# KiCad board 4servoboard-4x4.kicad_pcb (continued)
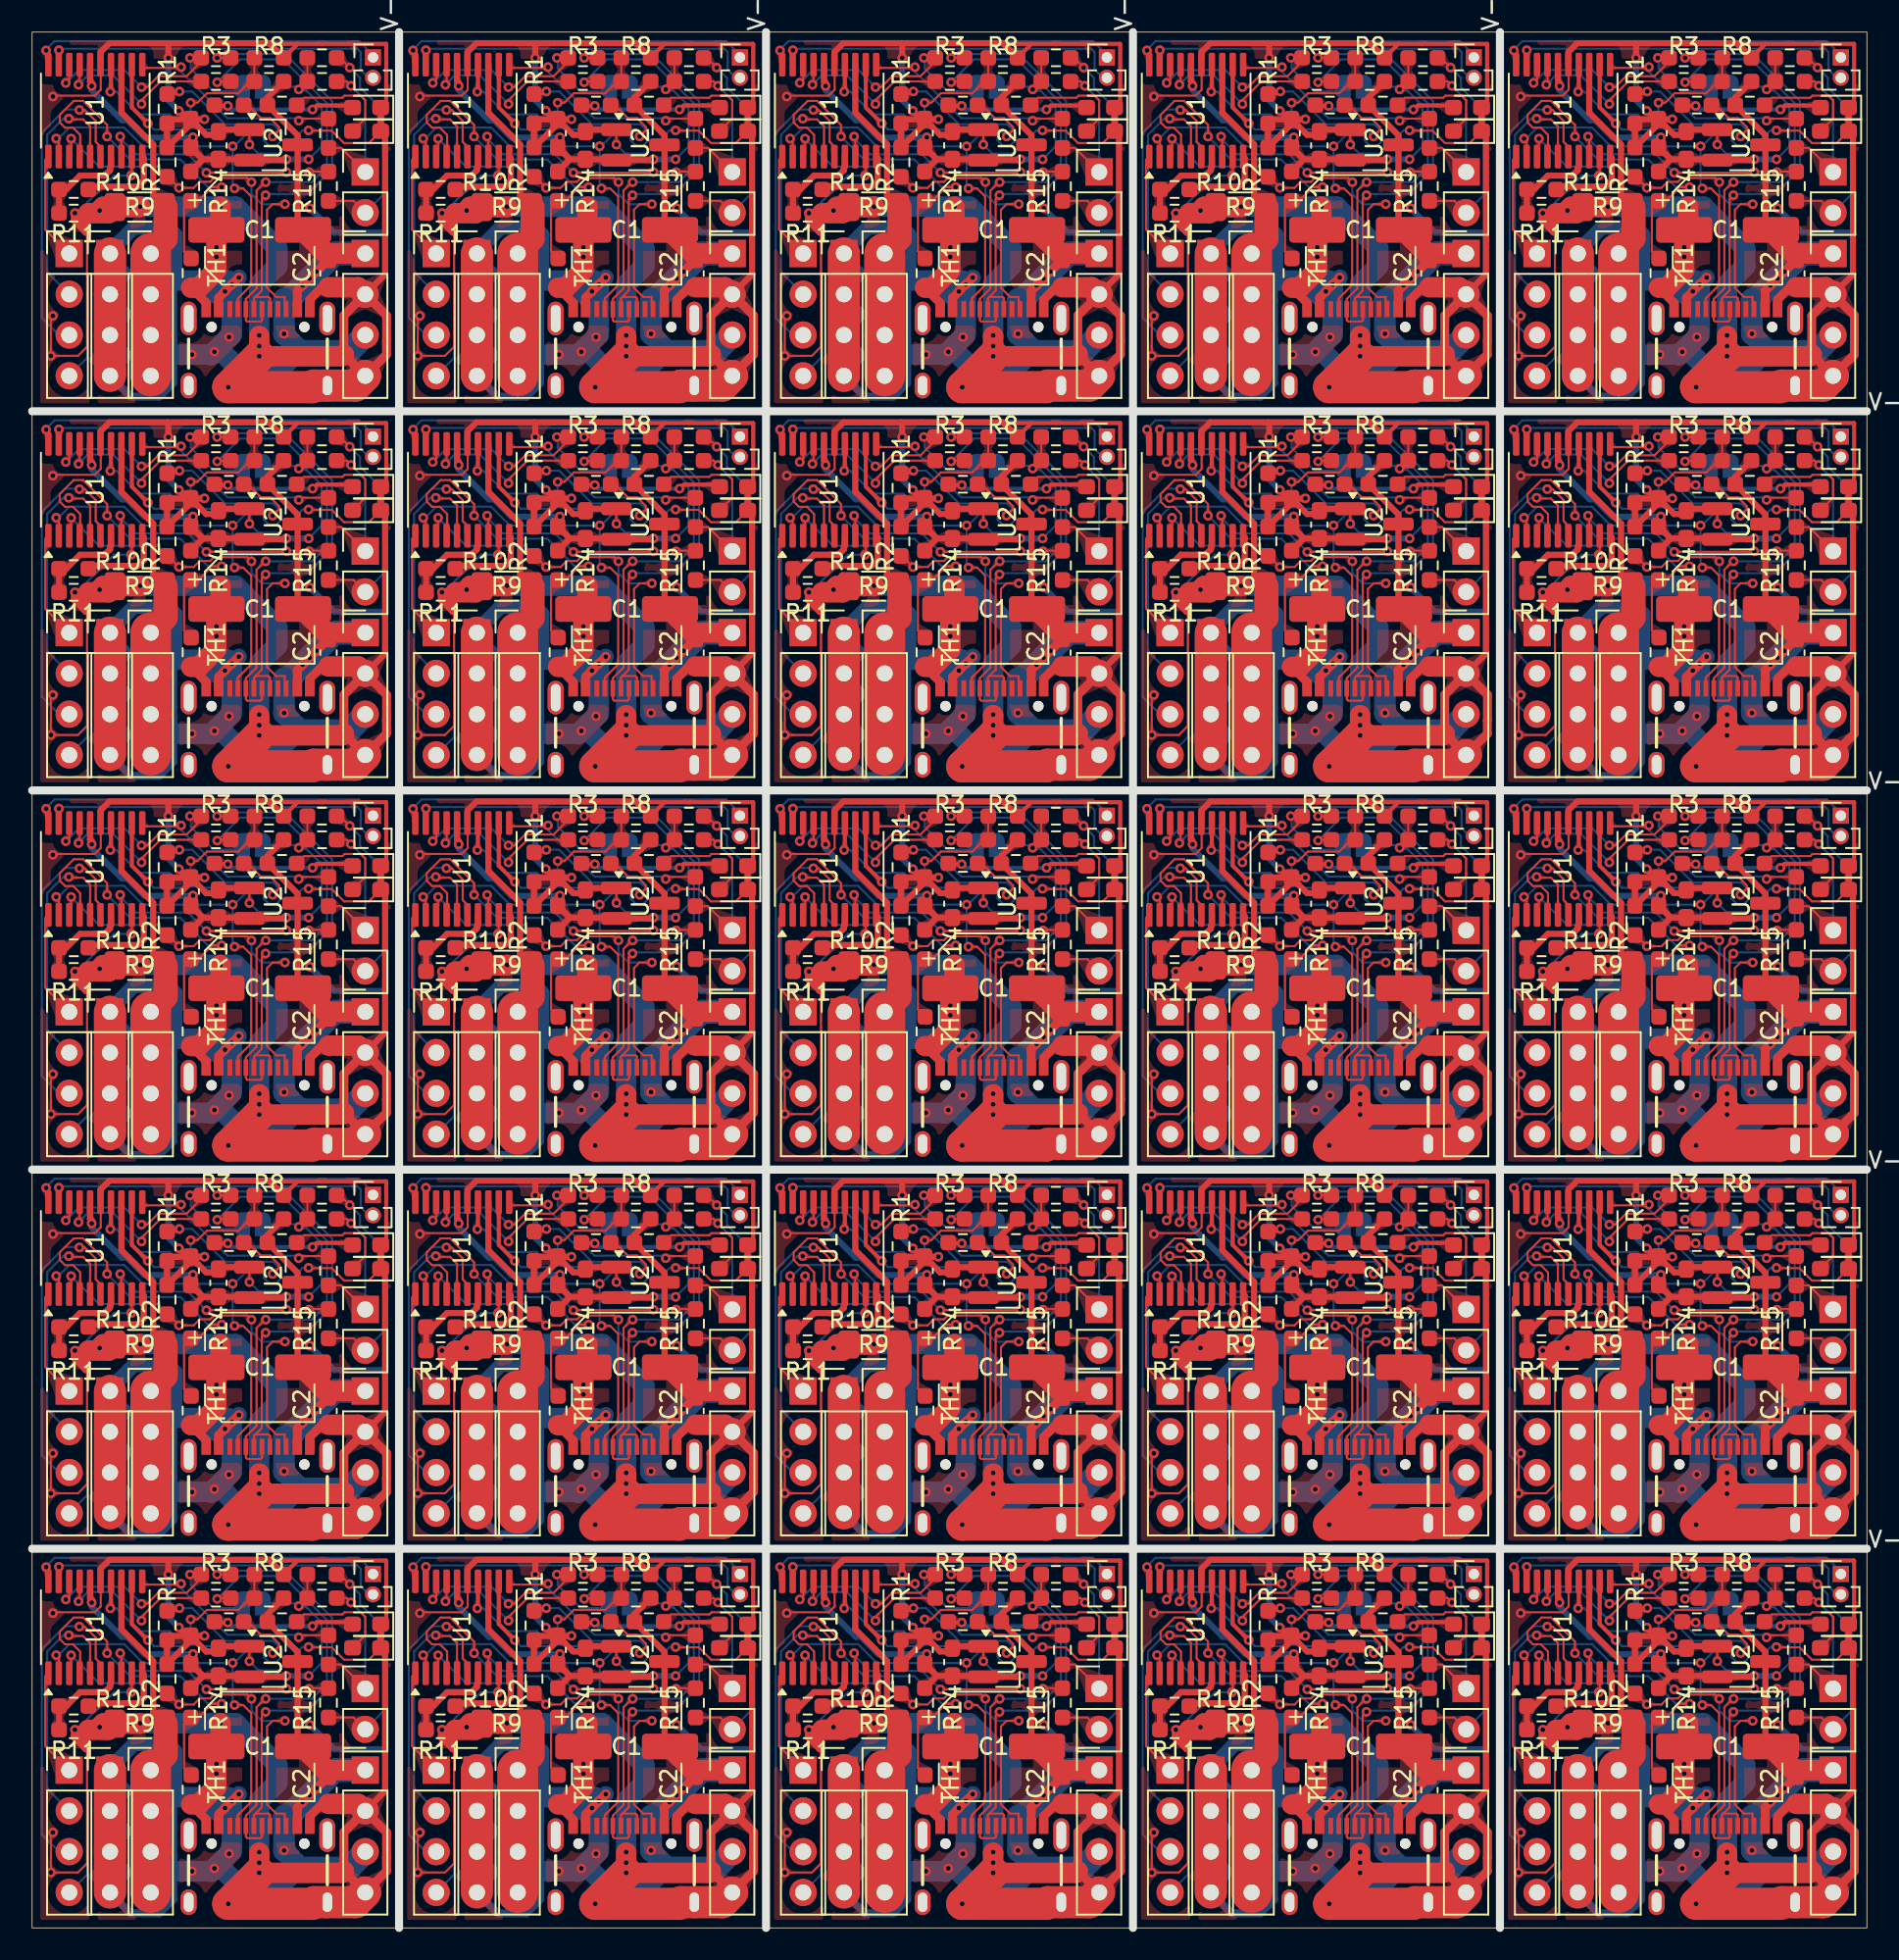
[diagram p0: board, top side]
## Routing (per net, layer and track width the routed paths; a pad name or vN(x,y) marks a point on that pad's centre or on a via; arc(x,y) is an arc through that point) (continued)
PB1: length 355
  Top w0.127: R8#25.1 13.84,92.88 R7#21.2 13.59,91.41 12.85,90.68 11.9,90.68 11.9,90.68 10.89,90.68 10.3,90.09 v1(9.88,90.09) ; R8#20.1 13.84,22.02 R7#3.2 13.59,20.55 12.85,19.81 11.9,19.81 11.9,19.81 10.89,19.81 10.3,19.22 v1(9.88,19.22) ; R8#15.1 13.84,69.26 R7#12.2 13.59,67.79 12.85,67.05 11.9,67.05 11.9,67.06 10.89,67.06 10.3,66.47 v1(9.88,66.47) ; R8#10.1 82.42,22.02 R7#13.2 82.17,20.55 81.43,19.81 80.48,19.81 80.48,19.81 79.47,19.81 78.88,19.22 v1(78.46,19.22) ; R8#16.1 82.42,69.26 R7#20.2 82.17,67.79 81.43,67.05 80.48,67.05 80.48,67.06 79.47,67.06 78.88,66.47 v1(78.46,66.47) ; R8#8.1 36.7,92.88 R7#25.2 36.45,91.41 35.71,90.68 34.76,90.68 34.76,90.68 33.75,90.68 33.16,90.09 v1(32.74,90.09) ; v1(78.46,42.84) 78.88,42.84 79.47,43.44 80.48,43.44 80.48,43.43 81.43,43.43 82.17,44.17 R7#16.2 82.42,45.64 R8#4.1 ; R8#19.1 82.42,116.51 R7#15.2 82.17,115.04 81.43,114.3 80.48,114.3 80.48,114.3 79.47,114.3 78.88,113.71 v1(78.46,113.71) ; v1(101.32,113.71) 101.74,113.71 102.33,114.3 103.34,114.3 103.34,114.3 104.29,114.3 105.03,115.04 R7#24.2 105.28,116.51 R8.1 ; R8#24.1 105.28,92.88 R7#6.2 105.03,91.41 104.29,90.68 103.34,90.68 103.34,90.68 102.33,90.68 101.74,90.09 v1(101.32,90.09) ; R8#22.1 13.84,116.51 R7#19.2 13.59,115.04 12.85,114.3 11.9,114.3 11.9,114.3 10.89,114.3 10.3,113.71 v1(9.88,113.71) ; R8#12.1 36.7,69.26 R7#4.2 36.45,67.79 35.71,67.05 34.76,67.05 34.76,67.06 33.75,67.06 33.16,66.47 v1(32.74,66.47) ; v1(101.32,42.84) 101.74,42.84 102.33,43.44 103.34,43.44 103.34,43.43 104.29,43.43 105.03,44.17 R7#5.2 105.28,45.64 R8#9.1 ; v1(55.6,113.71) 56.02,113.71 56.61,114.3 57.62,114.3 57.62,114.3 58.57,114.3 59.31,115.04 R7#18.2 59.56,116.51 R8#5.1 ; R8#7.1 36.7,45.64 R7#9.2 36.45,44.17 35.71,43.43 34.76,43.43 34.76,43.44 33.75,43.44 33.16,42.84 v1(32.74,42.84) ; v1(101.32,19.22) 101.74,19.22 102.33,19.81 103.34,19.81 103.34,19.81 104.29,19.81 105.03,20.55 R7#11.2 105.28,22.02 R8#23.1 ; R8#11.1 59.56,22.02 R7#7.2 59.31,20.55 58.57,19.81 57.62,19.81 57.62,19.81 56.61,19.81 56.02,19.22 v1(55.6,19.22) ; v1(55.6,42.84) 56.02,42.84 56.61,43.44 57.62,43.44 57.62,43.43 58.57,43.43 59.31,44.17 R7#14.2 59.56,45.64 R8#3.1 ; v1(32.74,113.71) 33.16,113.71 33.75,114.3 34.76,114.3 34.76,114.3 35.71,114.3 36.45,115.04 R7#2.2 36.7,116.51 R8#14.1 ; v1(55.6,66.47) 56.02,66.47 56.61,67.06 57.62,67.06 57.62,67.05 58.57,67.05 59.31,67.79 R7#23.2 59.56,69.26 R8#17.1 ; R8#18.1 13.84,45.64 R7#10.2 13.59,44.17 12.85,43.43 11.9,43.43 11.9,43.44 10.89,43.44 10.3,42.84 v1(9.88,42.84) ; v1(32.74,19.22) 33.16,19.22 33.75,19.81 34.76,19.81 34.76,19.81 35.71,19.81 36.45,20.55 R7.2 36.7,22.02 R8#21.1 ; v1(78.46,90.09) 78.88,90.09 79.47,90.68 80.48,90.68 80.48,90.68 81.43,90.68 82.17,91.41 R7#17.2 82.42,92.88 R8#2.1 ; v1(101.32,66.47) 101.74,66.47 102.33,67.06 103.34,67.06 103.34,67.05 104.29,67.05 105.03,67.79 R7#22.2 105.28,69.26 R8#13.1 ; R8#6.1 59.56,92.88 R7#8.2 59.31,91.41 58.57,90.68 57.62,90.68 57.62,90.68 56.61,90.68 56.02,90.09 v1(55.6,90.09)
  Top w0.254: U1#3.14 73.49,67.19 v1(73.45,67.15) ; v1(27.73,90.77) 27.77,90.81 U1.14 ; U1#2.14 73.49,19.95 v1(73.45,19.91) ; U1#23.14 27.77,43.57 v1(27.73,43.53) ; v1(4.87,114.4) 4.91,114.44 U1#20.14 ; U1#17.14 73.49,43.57 v1(73.45,43.53) ; U1#12.14 96.35,43.57 v1(96.31,43.53) ; v1(4.87,19.91) 4.91,19.95 U1#15.14 ; U1#8.14 4.91,43.57 v1(4.87,43.53) ; U1#25.14 50.63,67.19 v1(50.59,67.15) ; U1#6.14 4.91,67.19 v1(4.87,67.15) ; v1(50.59,90.77) 50.63,90.81 U1#10.14 ; U1#16.14 73.49,114.44 v1(73.45,114.4) ; U1#11.14 96.35,67.19 v1(96.31,67.15) ; U1#22.14 50.63,43.57 v1(50.59,43.53) ; U1#21.14 50.63,114.44 v1(50.59,114.4) ; U1#4.14 96.35,19.95 v1(96.31,19.91) ; v1(50.59,19.91) 50.63,19.95 U1#9.14 ; v1(27.73,19.91) 27.77,19.95 U1#19.14 ; U1#5.14 96.35,90.81 v1(96.31,90.77) ; v1(27.73,67.15) 27.77,67.19 U1#14.14 ; v1(96.31,114.4) 96.35,114.44 U1#13.14 ; v1(4.87,90.77) 4.91,90.81 U1#7.14 ; v1(73.45,90.77) 73.49,90.81 U1#18.14 ; U1#24.14 27.77,114.44 v1(27.73,114.4)
  Bottom w0.127: v1(32.74,113.71) 32.74,113.14 32.24,112.64 31.77,112.64 31.43,112.98 29.53,112.98 28.11,114.4 v1(27.73,114.4) ; v1(96.31,19.91) 96.69,19.91 98.11,18.49 100.01,18.49 100.35,18.16 100.82,18.16 101.32,18.66 v1(101.32,19.22) ; v1(32.74,90.09) 32.74,89.52 32.24,89.02 31.77,89.02 31.43,89.36 29.53,89.36 28.11,90.77 v1(27.73,90.77) ; v1(9.88,42.84) 9.88,42.28 9.38,41.78 8.91,41.78 8.57,42.11 6.67,42.11 5.25,43.53 v1(4.87,43.53) ; v1(73.45,19.91) 73.83,19.91 75.25,18.49 77.15,18.49 77.49,18.16 77.96,18.16 78.46,18.66 v1(78.46,19.22) ; v1(96.31,90.77) 96.69,90.77 98.11,89.36 100.01,89.36 100.35,89.02 100.82,89.02 101.32,89.52 v1(101.32,90.09) ; v1(9.88,66.47) 9.88,65.9 9.38,65.4 8.91,65.4 8.57,65.74 6.67,65.74 5.25,67.15 v1(4.87,67.15) ; v1(96.31,114.4) 96.69,114.4 98.11,112.98 100.01,112.98 100.35,112.64 100.82,112.64 101.32,113.14 v1(101.32,113.71) ; v1(50.59,67.15) 50.97,67.15 52.39,65.74 54.29,65.74 54.63,65.4 55.1,65.4 55.6,65.9 v1(55.6,66.47) ; v1(96.31,67.15) 96.69,67.15 98.11,65.74 100.01,65.74 100.35,65.4 100.82,65.4 101.32,65.9 v1(101.32,66.47) ; v1(27.73,19.91) 28.11,19.91 29.53,18.49 31.43,18.49 31.77,18.16 32.24,18.16 32.74,18.66 v1(32.74,19.22) ; v1(27.73,67.15) 28.11,67.15 29.53,65.74 31.43,65.74 31.77,65.4 32.24,65.4 32.74,65.9 v1(32.74,66.47) ; v1(4.87,19.91) 5.25,19.91 6.67,18.49 8.57,18.49 8.91,18.16 9.38,18.16 9.88,18.66 v1(9.88,19.22) ; v1(4.87,90.77) 5.25,90.77 6.67,89.36 8.57,89.36 8.91,89.02 9.38,89.02 9.88,89.52 v1(9.88,90.09) ; v1(4.87,114.4) 5.25,114.4 6.67,112.98 8.57,112.98 8.91,112.64 9.38,112.64 9.88,113.14 v1(9.88,113.71) ; v1(50.59,114.4) 50.97,114.4 52.39,112.98 54.29,112.98 54.63,112.64 55.1,112.64 55.6,113.14 v1(55.6,113.71) ; v1(78.46,113.71) 78.46,113.14 77.96,112.64 77.49,112.64 77.15,112.98 75.25,112.98 73.83,114.4 v1(73.45,114.4) ; v1(50.59,43.53) 50.97,43.53 52.39,42.11 54.29,42.11 54.63,41.78 55.1,41.78 55.6,42.28 v1(55.6,42.84) ; v1(78.46,90.09) 78.46,89.52 77.96,89.02 77.49,89.02 77.15,89.36 75.25,89.36 73.83,90.77 v1(73.45,90.77) ; v1(73.45,43.53) 73.83,43.53 75.25,42.11 77.15,42.11 77.49,41.78 77.96,41.78 78.46,42.28 v1(78.46,42.84) ; v1(55.6,19.22) 55.6,18.66 55.1,18.16 54.63,18.16 54.29,18.49 52.39,18.49 50.97,19.91 v1(50.59,19.91) ; v1(50.59,90.77) 50.97,90.77 52.39,89.36 54.29,89.36 54.63,89.02 55.1,89.02 55.6,89.52 v1(55.6,90.09) ; v1(96.31,43.53) 96.69,43.53 98.11,42.11 100.01,42.11 100.35,41.78 100.82,41.78 101.32,42.28 v1(101.32,42.84) ; v1(27.73,43.53) 28.11,43.53 29.53,42.11 31.43,42.11 31.77,41.78 32.24,41.78 32.74,42.28 v1(32.74,42.84) ; v1(73.45,67.15) 73.83,67.15 75.25,65.74 77.15,65.74 77.49,65.4 77.96,65.4 78.46,65.9 v1(78.46,66.47)
PC3: length 568.9
  Top w0.127: v1(103.25,37.59) 102.65,37.59 101.8,36.73 R14#15.2 100.91,36.32 100.91,33.58 TH1#14.1 ; v1(80.39,61.21) 79.79,61.21 78.94,60.35 R14#14.2 78.05,59.94 78.05,57.2 TH1#21.1 ; U1#18.4 71.57,86.77 71.57,88.09 71.13,88.53 70.63,88.53 70.3,88.86 70.3,89.33 71.17,90.2 71.76,90.2 73.25,88.71 v1(73.25,87.98) ; v1(4.67,17.11) 4.67,17.84 3.18,19.34 2.59,19.34 1.72,18.47 1.72,18 2.05,17.67 2.55,17.67 2.99,17.22 2.99,15.9 U1#15.4 ; v1(11.81,13.97) 11.21,13.97 10.36,13.11 R14#22.2 9.47,12.7 9.47,9.96 TH1#23.1 ; v1(4.67,40.74) 4.67,41.46 3.18,42.96 2.59,42.96 1.72,42.09 1.72,41.62 2.05,41.29 2.55,41.29 2.99,40.84 2.99,39.52 U1#8.4 ; U1#21.4 48.71,110.39 48.71,111.71 48.27,112.16 47.77,112.16 47.44,112.49 47.44,112.95 48.31,113.82 48.9,113.82 50.39,112.33 v1(50.39,111.6) ; v1(27.53,111.6) 27.53,112.33 26.04,113.82 25.45,113.82 24.58,112.95 24.58,112.49 24.91,112.16 25.41,112.16 25.85,111.71 25.85,110.39 U1#24.4 ; U1#6.4 2.99,63.14 2.99,64.46 2.55,64.91 2.05,64.91 1.72,65.24 1.72,65.71 2.59,66.58 3.18,66.58 4.67,65.09 v1(4.67,64.36) ; TH1#13.1 55.19,57.2 55.19,59.94 R14#21.2 56.08,60.35 56.93,61.21 v1(57.53,61.21) ; v1(50.39,40.74) 50.39,41.46 48.9,42.96 48.31,42.96 47.44,42.09 47.44,41.62 47.77,41.29 48.27,41.29 48.71,40.84 48.71,39.52 U1#22.4 ; v1(11.81,108.46) 11.21,108.46 10.36,107.6 R14#24.2 9.47,107.18 9.47,104.45 TH1#8.1 ; TH1#10.1 100.91,57.2 100.91,59.94 R14#16.2 101.8,60.35 102.65,61.21 v1(103.25,61.21) ; v1(57.53,37.59) 56.93,37.59 56.08,36.73 R14#12.2 55.19,36.32 55.19,33.58 TH1#6.1 ; v1(34.67,61.21) 34.07,61.21 33.22,60.35 R14#20.2 32.33,59.94 32.33,57.2 TH1#15.1 ; U1#7.4 2.99,86.77 2.99,88.09 2.55,88.53 2.05,88.53 1.72,88.86 1.72,89.33 2.59,90.2 3.18,90.2 4.67,88.71 v1(4.67,87.98) ; v1(34.67,108.46) 34.07,108.46 33.22,107.6 R14#11.2 32.33,107.18 32.33,104.45 TH1#19.1 ; U1.4 25.85,86.77 25.85,88.09 25.41,88.53 24.91,88.53 24.58,88.86 24.58,89.33 25.45,90.2 26.04,90.2 27.53,88.71 v1(27.53,87.98) ; TH1#9.1 32.33,80.83 32.33,83.56 R14.2 33.22,83.98 34.07,84.83 v1(34.67,84.83) ; v1(34.67,37.59) 34.07,37.59 33.22,36.73 R14#13.2 32.33,36.32 32.33,33.58 TH1#4.1 ; TH1#17.1 100.91,80.83 100.91,83.56 R14#7.2 101.8,83.98 102.65,84.83 v1(103.25,84.83) ; v1(4.67,111.6) 4.67,112.33 3.18,113.82 2.59,113.82 1.72,112.95 1.72,112.49 2.05,112.16 2.55,112.16 2.99,111.71 2.99,110.39 U1#20.4 ; U1#19.4 25.85,15.9 25.85,17.22 25.41,17.67 24.91,17.67 24.58,18 24.58,18.47 25.45,19.34 26.04,19.34 27.53,17.84 v1(27.53,17.11) ; v1(73.25,17.11) 73.25,17.84 71.76,19.34 71.17,19.34 70.3,18.47 70.3,18 70.63,17.67 71.13,17.67 71.57,17.22 71.57,15.9 U1#2.4 ; v1(96.11,40.74) 96.11,41.46 94.62,42.96 94.03,42.96 93.16,42.09 93.16,41.62 93.49,41.29 93.99,41.29 94.43,40.84 94.43,39.52 U1#12.4 ; v1(103.25,108.46) 102.65,108.46 101.8,107.6 R14#4.2 100.91,107.18 100.91,104.45 TH1#7.1 ; v1(27.53,40.74) 27.53,41.46 26.04,42.96 25.45,42.96 24.58,42.09 24.58,41.62 24.91,41.29 25.41,41.29 25.85,40.84 25.85,39.52 U1#23.4 ; U1#16.4 71.57,110.39 71.57,111.71 71.13,112.16 70.63,112.16 70.3,112.49 70.3,112.95 71.17,113.82 71.76,113.82 73.25,112.33 v1(73.25,111.6) ; v1(80.39,108.46) 79.79,108.46 78.94,107.6 R14#2.2 78.05,107.18 78.05,104.45 TH1#16.1 ; v1(73.25,64.36) 73.25,65.09 71.76,66.58 71.17,66.58 70.3,65.71 70.3,65.24 70.63,64.91 71.13,64.91 71.57,64.46 71.57,63.14 U1#3.4 ; v1(50.39,87.98) 50.39,88.71 48.9,90.2 48.31,90.2 47.44,89.33 47.44,88.86 47.77,88.53 48.27,88.53 48.71,88.09 48.71,86.77 U1#10.4 ; v1(96.11,64.36) 96.11,65.09 94.62,66.58 94.03,66.58 93.16,65.71 93.16,65.24 93.49,64.91 93.99,64.91 94.43,64.46 94.43,63.14 U1#11.4 ; v1(80.39,84.83) 79.79,84.83 78.94,83.98 R14#3.2 78.05,83.56 78.05,80.83 TH1#12.1 ; U1#9.4 48.71,15.9 48.71,17.22 48.27,17.67 47.77,17.67 47.44,18 47.44,18.47 48.31,19.34 48.9,19.34 50.39,17.84 v1(50.39,17.11) ; v1(11.81,84.83) 11.21,84.83 10.36,83.98 R14#17.2 9.47,83.56 9.47,80.83 TH1#3.1 ; TH1#18.1 55.19,104.45 55.19,107.18 R14#19.2 56.08,107.6 56.93,108.46 v1(57.53,108.46) ; U1#5.4 94.43,86.77 94.43,88.09 93.99,88.53 93.49,88.53 93.16,88.86 93.16,89.33 94.03,90.2 94.62,90.2 96.11,88.71 v1(96.11,87.98) ; TH1#22.1 100.91,9.96 100.91,12.7 R14#18.2 101.8,13.11 102.65,13.97 v1(103.25,13.97) ; U1#14.4 25.85,63.14 25.85,64.46 25.41,64.91 24.91,64.91 24.58,65.24 24.58,65.71 25.45,66.58 26.04,66.58 27.53,65.09 v1(27.53,64.36) ; TH1.1 78.05,9.96 78.05,12.7 R14#25.2 78.94,13.11 79.79,13.97 v1(80.39,13.97) ; v1(57.53,84.83) 56.93,84.83 56.08,83.98 R14#23.2 55.19,83.56 55.19,80.83 TH1#5.1 ; U1#4.4 94.43,15.9 94.43,17.22 93.99,17.67 93.49,17.67 93.16,18 93.16,18.47 94.03,19.34 94.62,19.34 96.11,17.84 v1(96.11,17.11) ; v1(80.39,37.59) 79.79,37.59 78.94,36.73 R14#6.2 78.05,36.32 78.05,33.58 TH1#24.1 ; v1(34.67,13.97) 34.07,13.97 33.22,13.11 R14#10.2 32.33,12.7 32.33,9.96 TH1#11.1 ; U1#17.4 71.57,39.52 71.57,40.84 71.13,41.29 70.63,41.29 70.3,41.62 70.3,42.09 71.17,42.96 71.76,42.96 73.25,41.46 v1(73.25,40.74) ; TH1#2.1 9.47,57.2 9.47,59.94 R14#9.2 10.36,60.35 11.21,61.21 v1(11.81,61.21) ; v1(50.39,64.36) 50.39,65.09 48.9,66.58 48.31,66.58 47.44,65.71 47.44,65.24 47.77,64.91 48.27,64.91 48.71,64.46 48.71,63.14 U1#25.4 ; v1(96.11,111.6) 96.11,112.33 94.62,113.82 94.03,113.82 93.16,112.95 93.16,112.49 93.49,112.16 93.99,112.16 94.43,111.71 94.43,110.39 U1#13.4 ; v1(57.53,13.97) 56.93,13.97 56.08,13.11 R14#8.2 55.19,12.7 55.19,9.96 TH1#25.1 ; TH1#20.1 9.47,33.58 9.47,36.32 R14#5.2 10.36,36.73 11.21,37.59 v1(11.81,37.59)
  Bottom w0.127: v1(57.53,84.83) 56.67,84.83 54.96,86.55 51.83,86.55 v1(50.39,87.98) ; v1(96.11,64.36) 97.55,62.93 100.68,62.93 102.39,61.21 v1(103.25,61.21) ; v1(27.53,111.6) 28.97,110.17 32.1,110.17 33.81,108.46 v1(34.67,108.46) ; v1(80.39,37.59) 79.53,37.59 77.82,39.3 74.69,39.3 v1(73.25,40.74) ; v1(50.39,17.11) 51.83,15.68 54.96,15.68 56.67,13.97 v1(57.53,13.97) ; v1(57.53,61.21) 56.67,61.21 54.96,62.93 51.83,62.93 v1(50.39,64.36) ; v1(73.25,17.11) 74.69,15.68 77.82,15.68 79.53,13.97 v1(80.39,13.97) ; v1(57.53,108.46) 56.67,108.46 54.96,110.17 51.83,110.17 v1(50.39,111.6) ; v1(103.25,84.83) 102.39,84.83 100.68,86.55 97.55,86.55 v1(96.11,87.98) ; v1(57.53,37.59) 56.67,37.59 54.96,39.3 51.83,39.3 v1(50.39,40.74) ; v1(4.67,87.98) 6.11,86.55 9.24,86.55 10.95,84.83 v1(11.81,84.83) ; v1(11.81,61.21) 10.95,61.21 9.24,62.93 6.11,62.93 v1(4.67,64.36) ; v1(34.67,61.21) 33.81,61.21 32.1,62.93 28.97,62.93 v1(27.53,64.36) ; v1(73.25,64.36) 74.69,62.93 77.82,62.93 79.53,61.21 v1(80.39,61.21) ; v1(96.11,17.11) 97.55,15.68 100.68,15.68 102.39,13.97 v1(103.25,13.97) ; v1(34.67,37.59) 33.81,37.59 32.1,39.3 28.97,39.3 v1(27.53,40.74) ; v1(103.25,37.59) 102.39,37.59 100.68,39.3 97.55,39.3 v1(96.11,40.74) ; v1(73.25,87.98) 74.69,86.55 77.82,86.55 79.53,84.83 v1(80.39,84.83) ; v1(34.67,13.97) 33.81,13.97 32.1,15.68 28.97,15.68 v1(27.53,17.11) ; v1(96.11,111.6) 97.55,110.17 100.68,110.17 102.39,108.46 v1(103.25,108.46) ; v1(27.53,87.98) 28.97,86.55 32.1,86.55 33.81,84.83 v1(34.67,84.83) ; v1(4.67,17.11) 6.11,15.68 9.24,15.68 10.95,13.97 v1(11.81,13.97) ; v1(11.81,37.59) 10.95,37.59 9.24,39.3 6.11,39.3 v1(4.67,40.74) ; v1(4.67,111.6) 6.11,110.17 9.24,110.17 10.95,108.46 v1(11.81,108.46) ; v1(73.25,111.6) 74.69,110.17 77.82,110.17 79.53,108.46 v1(80.39,108.46)
PWM0: length 168.5
  Top w0.127: U1#25.1 46.53,62.91 46.53,58.57 J2#8.1 ; J2#13.1 0.81,58.57 0.81,62.91 U1#6.1 ; U1#23.1 23.67,39.29 23.67,34.95 J2.1 ; J2#11.1 92.25,82.2 92.25,86.53 U1#5.1 ; J2#17.1 0.81,105.82 0.81,110.16 U1#20.1 ; J2#21.1 0.81,34.95 0.81,39.29 U1#8.1 ; J2#14.1 0.81,11.33 0.81,15.67 U1#15.1 ; U1#14.1 23.67,62.91 23.67,58.57 J2#7.1 ; J2#4.1 23.67,105.82 23.67,110.16 U1#24.1 ; J2#25.1 92.25,11.33 92.25,15.67 U1#4.1 ; U1.1 23.67,86.53 23.67,82.2 J2#3.1 ; J2#15.1 0.81,82.2 0.81,86.53 U1#7.1 ; J2#12.1 69.39,82.2 69.39,86.53 U1#18.1 ; U1#21.1 46.53,110.16 46.53,105.82 J2#9.1 ; U1#16.1 69.39,110.16 69.39,105.82 J2#20.1 ; U1#9.1 46.53,15.67 46.53,11.33 J2#16.1 ; U1#3.1 69.39,62.91 69.39,58.57 J2#6.1 ; J2#19.1 92.25,34.95 92.25,39.29 U1#12.1 ; U1#17.1 69.39,39.29 69.39,34.95 J2#23.1 ; J2#5.1 92.25,58.57 92.25,62.91 U1#11.1 ; U1#22.1 46.53,39.29 46.53,34.95 J2#10.1 ; U1#13.1 92.25,110.16 92.25,105.82 J2#2.1 ; U1#10.1 46.53,86.53 46.53,82.2 J2#18.1 ; U1#2.1 69.39,15.67 69.39,11.33 J2#24.1 ; U1#19.1 23.67,15.67 23.67,11.33 J2#22.1
PWM1: length 392
  Top w0.127: U1#4.5 95.05,17.75 94.62,18.19 93.77,18.19 v1(93.73,18.23) ; v1(93.73,89.1) 93.77,89.05 94.62,89.05 95.05,88.62 U1#5.5 ; U1#22.5 49.33,41.37 48.9,41.81 48.05,41.81 v1(48.01,41.85) ; U1#2.5 72.19,17.75 71.75,18.19 70.91,18.19 v1(70.87,18.23) ; v1(25.15,65.48) 25.19,65.43 26.03,65.43 26.47,64.99 U1#14.5 ; U1#21.5 49.33,112.24 48.9,112.67 48.05,112.67 v1(48.01,112.72) ; v1(2.29,41.85) 2.33,41.81 3.17,41.81 3.61,41.37 U1#8.5 ; U1#24.5 26.47,112.24 26.03,112.67 25.19,112.67 v1(25.15,112.72) ; v1(48.01,18.23) 48.05,18.19 48.9,18.19 49.33,17.75 U1#9.5 ; U1#19.5 26.47,17.75 26.03,18.19 25.19,18.19 v1(25.15,18.23) ; U1#6.5 3.61,64.99 3.17,65.43 2.33,65.43 v1(2.29,65.48) ; U1#23.5 26.47,41.37 26.03,41.81 25.19,41.81 v1(25.15,41.85) ; v1(70.87,41.85) 70.91,41.81 71.75,41.81 72.19,41.37 U1#17.5 ; v1(93.73,41.85) 93.77,41.81 94.62,41.81 95.05,41.37 U1#12.5 ; v1(2.29,112.72) 2.33,112.67 3.17,112.67 3.61,112.24 U1#20.5 ; v1(48.01,89.1) 48.05,89.05 48.9,89.05 49.33,88.62 U1#10.5 ; U1#16.5 72.19,112.24 71.75,112.67 70.91,112.67 v1(70.87,112.72) ; U1.5 26.47,88.62 26.03,89.05 25.19,89.05 v1(25.15,89.1) ; v1(2.29,89.1) 2.33,89.05 3.17,89.05 3.61,88.62 U1#7.5 ; U1#11.5 95.05,64.99 94.62,65.43 93.77,65.43 v1(93.73,65.48) ; v1(70.87,89.1) 70.91,89.05 71.75,89.05 72.19,88.62 U1#18.5 ; U1#13.5 95.05,112.24 94.62,112.67 93.77,112.67 v1(93.73,112.72) ; U1#3.5 72.19,64.99 71.75,65.43 70.91,65.43 v1(70.87,65.48) ; U1#15.5 3.61,17.75 3.17,18.19 2.33,18.19 v1(2.29,18.23) ; U1#25.5 49.33,64.99 48.9,65.43 48.05,65.43 v1(48.01,65.48)
  Bottom w0.127: v1(93.73,112.72) 93.38,112.72 92.38,111.71 92.38,103.15 J2#2.2 ; v1(48.01,65.48) 47.66,65.48 46.66,64.47 46.66,55.91 J2#8.2 ; J2#25.2 92.38,8.67 92.38,17.23 93.38,18.23 v1(93.73,18.23) ; J2#11.2 92.38,79.53 92.38,88.09 93.38,89.1 v1(93.73,89.1) ; v1(25.15,65.48) 24.8,65.48 23.8,64.47 23.8,55.91 J2#7.2 ; v1(48.01,89.1) 47.66,89.1 46.66,88.09 46.66,79.53 J2#18.2 ; J2#9.2 46.66,103.15 46.66,111.71 47.66,112.72 v1(48.01,112.72) ; v1(70.87,18.23) 70.52,18.23 69.52,17.23 69.52,8.67 J2#24.2 ; v1(70.87,65.48) 70.52,65.48 69.52,64.47 69.52,55.91 J2#6.2 ; J2#14.2 0.94,8.67 0.94,17.23 1.94,18.23 v1(2.29,18.23) ; v1(48.01,18.23) 47.66,18.23 46.66,17.23 46.66,8.67 J2#16.2 ; J2#19.2 92.38,32.29 92.38,40.85 93.38,41.85 v1(93.73,41.85) ; v1(48.01,41.85) 47.66,41.85 46.66,40.85 46.66,32.29 J2#10.2 ; J2#5.2 92.38,55.91 92.38,64.47 93.38,65.48 v1(93.73,65.48) ; J2#4.2 23.8,103.15 23.8,111.71 24.8,112.72 v1(25.15,112.72) ; J2#22.2 23.8,8.67 23.8,17.23 24.8,18.23 v1(25.15,18.23) ; v1(70.87,89.1) 70.52,89.1 69.52,88.09 69.52,79.53 J2#12.2 ; J2#3.2 23.8,79.53 23.8,88.09 24.8,89.1 v1(25.15,89.1) ; v1(2.29,41.85) 1.94,41.85 0.94,40.85 0.94,32.29 J2#21.2 ; v1(70.87,41.85) 70.52,41.85 69.52,40.85 69.52,32.29 J2#23.2 ; v1(2.29,89.1) 1.94,89.1 0.94,88.09 0.94,79.53 J2#15.2 ; v1(2.29,112.72) 1.94,112.72 0.94,111.71 0.94,103.15 J2#17.2 ; J2#13.2 0.94,55.91 0.94,64.47 1.94,65.48 v1(2.29,65.48) ; J2.2 23.8,32.29 23.8,40.85 24.8,41.85 v1(25.15,41.85) ; v1(70.87,112.72) 70.52,112.72 69.52,111.71 69.52,103.15 J2#20.2
PWM2: length 506.9
  Top w0.127: v1(48.67,89.64) 49,89.64 49.68,88.95 49.68,87.66 49.98,87.36 U1#10.6 ; v1(25.81,18.77) 26.14,18.77 26.82,18.09 26.82,16.79 27.12,16.49 U1#19.6 ; v1(48.67,42.39) 49,42.39 49.68,41.71 49.68,40.41 49.98,40.11 U1#22.6 ; U1#20.6 4.26,110.98 3.96,111.28 3.96,112.57 3.28,113.26 v1(2.95,113.26) ; U1#13.6 95.7,110.98 95.4,111.28 95.4,112.57 94.72,113.26 v1(94.39,113.26) ; v1(25.81,42.39) 26.14,42.39 26.82,41.71 26.82,40.41 27.12,40.11 U1#23.6 ; v1(71.53,113.26) 71.86,113.26 72.54,112.57 72.54,111.28 72.84,110.98 U1#16.6 ; v1(2.95,66.01) 3.28,66.01 3.96,65.33 3.96,64.03 4.26,63.73 U1#6.6 ; U1#21.6 49.98,110.98 49.68,111.28 49.68,112.57 49,113.26 v1(48.67,113.26) ; v1(48.67,66.01) 49,66.01 49.68,65.33 49.68,64.03 49.98,63.73 U1#25.6 ; U1#4.6 95.7,16.49 95.4,16.79 95.4,18.09 94.72,18.77 v1(94.39,18.77) ; v1(71.53,42.39) 71.86,42.39 72.54,41.71 72.54,40.41 72.84,40.11 U1#17.6 ; U1#24.6 27.12,110.98 26.82,111.28 26.82,112.57 26.14,113.26 v1(25.81,113.26) ; v1(71.53,66.01) 71.86,66.01 72.54,65.33 72.54,64.03 72.84,63.73 U1#3.6 ; v1(25.81,89.64) 26.14,89.64 26.82,88.95 26.82,87.66 27.12,87.36 U1.6 ; v1(71.53,89.64) 71.86,89.64 72.54,88.95 72.54,87.66 72.84,87.36 U1#18.6 ; U1#14.6 27.12,63.73 26.82,64.03 26.82,65.33 26.14,66.01 v1(25.81,66.01) ; U1#15.6 4.26,16.49 3.96,16.79 3.96,18.09 3.28,18.77 v1(2.95,18.77) ; v1(94.39,66.01) 94.72,66.01 95.4,65.33 95.4,64.03 95.7,63.73 U1#11.6 ; v1(94.39,89.64) 94.72,89.64 95.4,88.95 95.4,87.66 95.7,87.36 U1#5.6 ; v1(94.39,42.39) 94.72,42.39 95.4,41.71 95.4,40.41 95.7,40.11 U1#12.6 ; U1#7.6 4.26,87.36 3.96,87.66 3.96,88.95 3.28,89.64 v1(2.95,89.64) ; v1(48.67,18.77) 49,18.77 49.68,18.09 49.68,16.79 49.98,16.49 U1#9.6 ; v1(2.95,42.39) 3.28,42.39 3.96,41.71 3.96,40.41 4.26,40.11 U1#8.6 ; U1#2.6 72.84,16.49 72.54,16.79 72.54,18.09 71.86,18.77 v1(71.53,18.77)
  Bottom w0.127: v1(48.67,66.01) 48.64,66.04 47.76,66.04 46.33,64.6 46.33,53.06 47.4,51.99 J2#8.3 ; J2#24.3 70.26,4.75 69.19,5.82 69.19,17.36 70.62,18.8 71.5,18.8 v1(71.53,18.77) ; v1(94.39,42.39) 94.36,42.42 93.48,42.42 92.05,40.98 92.05,29.44 93.12,28.37 J2#19.3 ; v1(25.81,42.39) 25.78,42.42 24.9,42.42 23.47,40.98 23.47,29.44 24.54,28.37 J2.3 ; v1(71.53,42.39) 71.5,42.42 70.62,42.42 69.19,40.98 69.19,29.44 70.26,28.37 J2#23.3 ; J2#22.3 24.54,4.75 23.47,5.82 23.47,17.36 24.9,18.8 25.78,18.8 v1(25.81,18.77) ; J2#9.3 47.4,99.24 46.33,100.31 46.33,111.85 47.76,113.28 48.64,113.28 v1(48.67,113.26) ; J2#4.3 24.54,99.24 23.47,100.31 23.47,111.85 24.9,113.28 25.78,113.28 v1(25.81,113.26) ; J2#14.3 1.68,4.75 0.61,5.82 0.61,17.36 2.04,18.8 2.92,18.8 v1(2.95,18.77) ; v1(2.95,89.64) 2.92,89.66 2.04,89.66 0.61,88.23 0.61,76.68 1.68,75.62 J2#15.3 ; J2#21.3 1.68,28.37 0.61,29.44 0.61,40.98 2.04,42.42 2.92,42.42 v1(2.95,42.39) ; J2#16.3 47.4,4.75 46.33,5.82 46.33,17.36 47.76,18.8 48.64,18.8 v1(48.67,18.77) ; J2#3.3 24.54,75.62 23.47,76.68 23.47,88.23 24.9,89.66 25.78,89.66 v1(25.81,89.64) ; J2#17.3 1.68,99.24 0.61,100.31 0.61,111.85 2.04,113.28 2.92,113.28 v1(2.95,113.26) ; v1(94.39,66.01) 94.36,66.04 93.48,66.04 92.05,64.6 92.05,53.06 93.12,51.99 J2#5.3 ; v1(48.67,89.64) 48.64,89.66 47.76,89.66 46.33,88.23 46.33,76.68 47.4,75.62 J2#18.3 ; v1(2.95,66.01) 2.92,66.04 2.04,66.04 0.61,64.6 0.61,53.06 1.68,51.99 J2#13.3 ; v1(94.39,18.77) 94.36,18.8 93.48,18.8 92.05,17.36 92.05,5.82 93.12,4.75 J2#25.3 ; J2#12.3 70.26,75.62 69.19,76.68 69.19,88.23 70.62,89.66 71.5,89.66 v1(71.53,89.64) ; v1(25.81,66.01) 25.78,66.04 24.9,66.04 23.47,64.6 23.47,53.06 24.54,51.99 J2#7.3 ; v1(94.39,113.26) 94.36,113.28 93.48,113.28 92.05,111.85 92.05,100.31 93.12,99.24 J2#2.3 ; v1(71.53,113.26) 71.5,113.28 70.62,113.28 69.19,111.85 69.19,100.31 70.26,99.24 J2#20.3 ; v1(48.67,42.39) 48.64,42.42 47.76,42.42 46.33,40.98 46.33,29.44 47.4,28.37 J2#10.3 ; J2#6.3 70.26,51.99 69.19,53.06 69.19,64.6 70.62,66.04 71.5,66.04 v1(71.53,66.01) ; J2#11.3 93.12,75.62 92.05,76.68 92.05,88.23 93.48,89.66 94.36,89.66 v1(94.39,89.64)
PWM3: length 397.3
  Top w0.127: v1(74.75,14.68) 74.75,14.69 74.79,14.74 U1#2.9 ; U1#7.9 6.21,85.6 6.17,85.56 v1(6.17,85.55) ; v1(74.75,61.93) 74.75,61.94 74.79,61.98 U1#3.9 ; v1(74.75,109.17) 74.75,109.18 74.79,109.23 U1#16.9 ; U1#22.9 51.93,38.36 51.89,38.32 v1(51.89,38.3) ; U1#15.9 6.21,14.74 6.17,14.69 v1(6.17,14.68) ; U1#11.9 97.65,61.98 97.61,61.94 v1(97.61,61.93) ; v1(51.89,14.68) 51.89,14.69 51.93,14.74 U1#9.9 ; U1#17.9 74.79,38.36 74.75,38.32 v1(74.75,38.3) ; v1(97.61,109.17) 97.61,109.18 97.65,109.23 U1#13.9 ; U1#18.9 74.79,85.6 74.75,85.56 v1(74.75,85.55) ; U1#10.9 51.93,85.6 51.89,85.56 v1(51.89,85.55) ; v1(29.03,38.3) 29.03,38.32 29.07,38.36 U1#23.9 ; v1(51.89,109.17) 51.89,109.18 51.93,109.23 U1#21.9 ; v1(97.61,14.68) 97.61,14.69 97.65,14.74 U1#4.9 ; U1#12.9 97.65,38.36 97.61,38.32 v1(97.61,38.3) ; v1(51.89,61.93) 51.89,61.94 51.93,61.98 U1#25.9 ; U1#8.9 6.21,38.36 6.17,38.32 v1(6.17,38.3) ; U1#20.9 6.21,109.23 6.17,109.18 v1(6.17,109.17) ; U1#19.9 29.07,14.74 29.03,14.69 v1(29.03,14.68) ; U1#24.9 29.07,109.23 29.03,109.18 v1(29.03,109.17) ; v1(29.03,61.93) 29.03,61.94 29.07,61.98 U1#14.9 ; v1(97.61,85.55) 97.61,85.56 97.65,85.6 U1#5.9 ; v1(29.03,85.55) 29.03,85.56 29.07,85.6 U1.9 ; U1#6.9 6.21,61.98 6.17,61.94 v1(6.17,61.93)
  Bottom w0.127: v1(6.17,38.3) 5.11,38.3 3.43,36.62 3.43,26.95 J2#21.4 ; v1(6.17,14.68) 5.11,14.68 3.43,13 3.43,3.32 J2#14.4 ; v1(97.61,14.68) 96.55,14.68 94.87,13 94.87,3.32 J2#25.4 ; v1(74.75,14.68) 73.69,14.68 72.01,13 72.01,3.32 J2#24.4 ; v1(29.03,61.93) 27.97,61.93 26.29,60.25 26.29,50.57 J2#7.4 ; v1(51.89,61.93) 50.83,61.93 49.15,60.25 49.15,50.57 J2#8.4 ; v1(6.17,85.55) 5.11,85.55 3.43,83.87 3.43,74.19 J2#15.4 ; J2#11.4 94.87,74.19 94.87,83.87 96.55,85.55 v1(97.61,85.55) ; J2.4 26.29,26.95 26.29,36.62 27.97,38.3 v1(29.03,38.3) ; J2#16.4 49.15,3.32 49.15,13 50.83,14.68 v1(51.89,14.68) ; v1(74.75,61.93) 73.69,61.93 72.01,60.25 72.01,50.57 J2#6.4 ; v1(74.75,85.55) 73.69,85.55 72.01,83.87 72.01,74.19 J2#12.4 ; v1(74.75,38.3) 73.69,38.3 72.01,36.62 72.01,26.95 J2#23.4 ; v1(51.89,38.3) 50.83,38.3 49.15,36.62 49.15,26.95 J2#10.4 ; v1(29.03,14.68) 27.97,14.68 26.29,13 26.29,3.32 J2#22.4 ; v1(29.03,85.55) 27.97,85.55 26.29,83.87 26.29,74.19 J2#3.4 ; v1(51.89,85.55) 50.83,85.55 49.15,83.87 49.15,74.19 J2#18.4 ; v1(97.61,109.17) 96.55,109.17 94.87,107.49 94.87,97.81 J2#2.4 ; J2#5.4 94.87,50.57 94.87,60.25 96.55,61.93 v1(97.61,61.93) ; v1(6.17,109.17) 5.11,109.17 3.43,107.49 3.43,97.81 J2#17.4 ; v1(97.61,38.3) 96.55,38.3 94.87,36.62 94.87,26.95 J2#19.4 ; J2#4.4 26.29,97.81 26.29,107.49 27.97,109.17 v1(29.03,109.17) ; J2#9.4 49.15,97.81 49.15,107.49 50.83,109.17 v1(51.89,109.17) ; v1(6.17,61.93) 5.11,61.93 3.43,60.25 3.43,50.57 J2#13.4 ; J2#20.4 72.01,97.81 72.01,107.49 73.69,109.17 v1(74.75,109.17)
SWCLK: length 552.1
  Top w0.127: v1(0.87,116.97) 0.87,116.22 U1#20.20 ; v1(46.59,93.34) 46.59,92.6 U1#10.20 ; U1#18.20 69.45,92.6 v1(69.45,93.34) ; v1(92.31,116.97) 92.31,116.22 U1#13.20 ; U1#9.20 46.59,21.73 v1(46.59,22.48) ; U1.20 23.73,92.6 v1(23.73,93.34) ; U1#21.20 46.59,116.22 v1(46.59,116.97) ; v1(69.45,46.1) 69.45,45.35 U1#17.20 ; U1#11.20 92.31,68.98 v1(92.31,69.72) ; v1(23.73,116.97) 23.73,116.22 U1#24.20 ; v1(69.45,116.97) 69.45,116.22 U1#16.20 ; v1(46.59,46.1) 46.59,45.35 U1#22.20 ; U1#15.20 0.87,21.73 v1(0.87,22.48) ; v1(46.59,69.72) 46.59,68.98 U1#25.20 ; U1#12.20 92.31,45.35 v1(92.31,46.1) ; U1#23.20 23.73,45.35 v1(23.73,46.1) ; v1(23.73,69.72) 23.73,68.98 U1#14.20 ; U1#6.20 0.87,68.98 v1(0.87,69.72) ; U1#19.20 23.73,21.73 v1(23.73,22.48) ; v1(92.31,93.34) 92.31,92.6 U1#5.20 ; U1#7.20 0.87,92.6 v1(0.87,93.34) ; v1(69.45,69.72) 69.45,68.98 U1#3.20 ; v1(92.31,22.48) 92.31,21.73 U1#4.20 ; U1#2.20 69.45,21.73 v1(69.45,22.48) ; U1#8.20 0.87,45.35 v1(0.87,46.1)